# KiCad board XG_Mobile_Dock.kicad_pcb (continued)
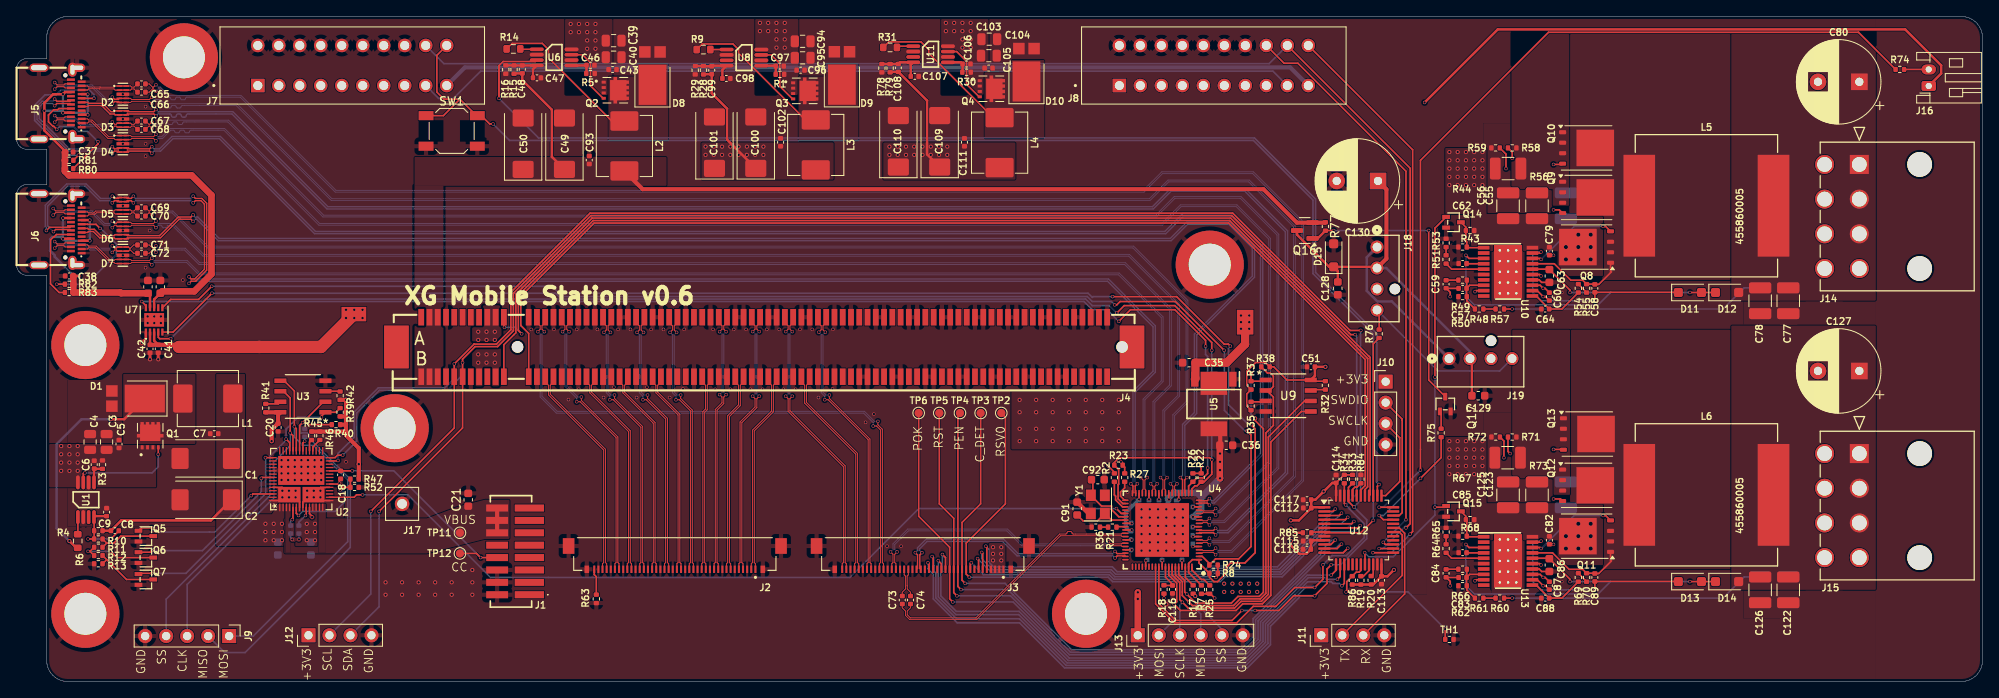
[diagram p0: board, top side]
## Routing (per net, layer and track width the routed paths; a pad name or vN(x,y) marks a point on that pad's centre or on a via; arc(x,y) is an arc through that point) (continued)
/USB Hub/USB_DFP0_FLT: length 175.2
  Top w0.2: U7.6 18.65,46.25 22.02,46.25 v1(23.62,47.84) ; R7.2 141.82,13.18 U4.75 141.82,14.29 142.27,14.74 U4.1 ; U4.1 143.07,14.36 R8.1 144.33,12.63 144.87,12.09 145.32,12.09 146.38,13.15 146.38,13.82 146.91,14.35 148.62,14.35 149.87,15.59 149.87,30.59 v1(149.37,31.09) ; U4.1 143.27,14.74 ; v1(132.62,46.59) 140.37,46.59 146.12,40.84 146.62,40.84 v1(146.87,40.59)
  Bottom w0.2: v1(23.62,47.84) 64.81,47.84 65.65,47 129.65,47 130.15,46.5 130.24,46.59 v1(132.62,46.59) ; v1(146.87,40.59) 146.65,40.38 146.65,33.5 149.06,31.09 v1(149.37,31.09)
/USB Hub/USB_DFP1_EN: length 3.3
  Top w0.2: U4.76 142.21,13.49 143.37,12.34 143.66,12.34 R25.1
/USB Hub/USB_DFP2_EN: length 152.4
  Top w0.2: v1(144.12,25.84) 144.12,25.18 143.58,24.64 142.8,24.64 R26.2 141.82,23.66 U4.21 ; v1(133.37,43.59) 134.77,45 140.15,45 143.87,41.28 v1(143.87,40.59) ; U7.4 17.15,41.67 17.32,41.5 v1(18.65,41.5)
  Bottom w0.2: v1(133.37,43.59) 131.96,45 130.15,45 129.15,46 23.15,46 v1(18.65,41.5) ; v1(143.87,40.59) 143.87,39.59 144.12,39.34 144.11,39.34 144.11,25.85 v1(144.12,25.84)
/USB Hub/USB_DFP2_FLT: length 171
  Top w0.2: U7.10 15.65,45.5 v1(15.15,46) ; U4.40 133.84,21.54 133.28,22.1 133.28,23.83 133.35,23.9 133.35,25.65 R23.2 132.82,26.51 133.41,27.1 144.36,27.1 v1(144.62,26.84) 144.62,26.84 144.62,25.35 144.62,25.34 144.62,25.09 143.7,24.17 R22.2 142.84,23.68 142.58,23.68 142.21,23.32 U4.20 ; v1(133.12,44.59) 134.02,45.5 140.15,45.5 144.62,41.03 v1(144.62,40.09)
  Bottom w0.2: v1(133.12,44.59) 132.21,45.5 130.15,45.5 129.35,46.3 22.84,46.3 22.54,46 v1(15.15,46) ; 144.62,26.84 v1(144.62,26.84) v1(144.62,40.09)
/USB Hub/USB_DFP3_EN: length 2.7
  Top w0.2: R27.2 134.08,23.43 133.58,22.93 133.58,22.43 134.07,21.94 U4.39
/USB Hub/USBOC0: length 3.8
  Top w0.2: U4.41 133.82,21.14 132.98,21.98 132.98,22.43 132.83,22.58 R2.1
/USB Hub/XI: length 6.8
  Top w0.2: C91.1 129.06,19.43 130.78,19.43 Y1.1 132.47,19.54 U4.45
/USB Hub/XO: length 7.5
  Top w0.2: C92.1 130.23,24.26 130.23,22.53 ; U4.44 133.36,19.94 132.48,20.82 132.48,21.23 131.28,21.23 Y1.3
/USB PD Charger/BOOT: length 11.4
  Top w0.2: v1(34.12,20.09) 33.85,20.36 U2.6 ; v1(39.17,23.19) 39.47,23.5 R52.1 R47.2
  Bottom w0.2: v1(34.12,20.09) 34.62,20.6 38.55,20.6 39.65,21.69 39.65,22.84 39.3,23.19 v1(39.17,23.19)
/USB PD Charger/DRAIN1: length 6.9
  Top w0.2: U2.8 34.65,21.73 35.55,22.62 U2.58 ; U2.58 36.65,21.9 U2.15 ; U2.58 36.8,23.5 U2.19
  vias: v1(35.17,23.09) v1(35.17,22.29) v1(35.97,23.09) v1(35.97,22.29) v1(36.77,23.09) v1(36.77,22.29)
/USB PD Charger/DRAIN2: length 6.9
  Top w0.2: U2.57 33.35,22.62 34.25,21.73 U2.7 ; U2.57 32.13,23.5 U2.52 ; U2.57 32.27,21.9 U2.56
  vias: v1(32.17,23.09) v1(32.17,22.29) v1(32.97,23.09) v1(32.97,22.29) v1(33.77,23.09) v1(33.77,22.29)
/USB PD Charger/LDO_3V3: length 58.2
  Top w0.2: v1(34.97,20.09) 35.05,20.18 U2.9
  Top w0.5: R45.2 R46.2 39.7,30.26 39.87,30.09 ; R39.1 39.86,32.08 39.87,32.09 ; 39.87,30.09 39.87,29.79 41.41,28.25 v2(41.41,26.31) R47.1 ; 39.87,30.09 39.87,31.09 ; v2(30.87,29.09) 30.87,30.49 31.6,31.23 C20.1 31.65,32.32 U3.8 31.92,32.58 R41.1 ; 39.87,31.09 39.16,31.09 R40.1 ; 39.87,31.09 39.87,32.09 ; 39.87,32.09 v2(39.87,34.09) 39.16,34.09 R42.1
  In2.Cu w0.5: v2(39.87,34.09) 35.87,34.09 v2(30.87,29.09) 30.87,22.09 31.87,21.09 34.18,21.09 34.97,20.3 v1(34.97,20.09) 35.48,20.6 37.57,20.6 41.41,24.44 v2(41.41,26.31)
  Bottom w0.2: C23.1 34.17,19.29 v1(34.97,20.09)
/USB PD Charger/PDO_1: length 24.7
  Top w0.2: U2.43 30.12,27.1 v1(30.12,27.09) ; v1(16.37,13.09) 14.84,13.09 Q7.1
  Bottom w0.2: v1(16.37,13.09) 20.49,13.09 30.15,22.75 30.15,27.06 v1(30.12,27.09)
/USB PD Charger/PDO_2: length 21.2
  Top w0.2: v1(29.62,24.59) 29.72,24.7 U2.49 ; 14.85,15.75 Q6.1 ; Q6.1 16.17,15.65 v1(16.37,15.84) ; Q6.1 14.81,15.59
  Bottom w0.2: v1(16.37,15.84) 22.49,15.84 29.62,22.97 v1(29.62,24.59)
/USB PD Charger/PDO_3: length 18.5
  Top w0.2: v1(16.37,18.59) 15.09,18.59 Q5.1 ; v1(28.4,22.5) 28.6,22.7 U2.54
  Bottom w0.2: v1(16.37,18.59) 16.87,18.09 23.99,18.09 v1(28.4,22.5)
/USB PD Charger/SPI_CLK: length 38.3
  Top w0.2: 32.38,35.14 U3.6 32.3,35.14 33.11,34.32 33.11,30.35 33.12,30.34 v1(33.12,30.09) 33.45,29.76 U2.38
  Bottom w0.2: v1(33.12,30.09) 33.12,30.09 33.12,28.56 31.15,26.59 31.15,22.25 20.65,11.75 J9.3
/USB PD Charger/SPI_MISO: length 52.5
  Top w0.2: U3.2 37.14,33.86 v1(34.62,31.34) ; v1(34.62,31.34) 35.12,31.34 35.36,31.09 R40.2 ; v1(34.62,31.34) 34.25,30.98 U2.36
  Bottom w0.2: v1(34.62,31.34) 34.36,31.08 34.36,30.1 34.37,30.09 35.18,30.09 35.38,29.9 35.38,29.51 40.38,24.5 40.38,16.23 27.65,3.5 25.19,3.5 J9.2
/USB PD Charger/SPI_MOSI: length 45.9
  Top w0.2: U3.5 32.38,36.41 33.62,35.17 v1(33.62,30.84) 33.85,30.61 U2.37
  Bottom w0.2: v1(33.62,30.84) 33.62,30.84 33.62,29.59 34.62,28.59 35.87,28.59 40.08,24.38 40.08,16.93 28.65,5.5 J9.1
/USB PD Charger/SPI_SS: length 40.3
  Top w0.2: v1(36.9,32) 36.9,32.12 U3.1 38.64,32.59 R39.2 ; v1(32.62,29.34) 33.05,28.91 U2.39
  Bottom w0.2: J9.4 18.11,9.95 30.65,22.5 30.65,27.25 32.62,29.22 v1(32.62,29.34) 32.61,29.35 32.61,30.55 34.06,32 v1(36.9,32)
/WAKE#: length 141.5
  Top w0.2: 163.65,22.5 163.77,22.62 163.77,39.23 163.6,39.41 163.59,39.41 146.9,56.1 69.64,56.1 60.42,46.88 60.42,42.21 58.97,40.76 J4.B11
PP_HV: length 17.5
  Top w0.2: 25.65,22 25.4,22.25
  Top w0.3: R4.1 C8.1 12.67,19.5 23.51,19.5 C2.1
  vias: v2(30.12,19.09) v2(30.12,18.09) v2(30.12,17.09) v2(31.12,19.09) v2(31.12,18.09) v2(31.12,17.09) v2(32.12,19.09) v2(32.12,18.09) v2(32.12,17.09) v2(35.12,19.09) v2(35.12,18.09) v2(35.12,17.09) v2(36.12,19.09) v2(36.12,18.09) v2(36.12,17.09)
Net-(C59-Pad1): length 1.5
  Top w0.2: C59.1 172.99,48.59 R49.1
Net-(C84-Pad1): length 1.5
  Top w0.2: C84.1 172.99,13.59 R66.1
Net-(D1-K): length 26.7
  Top w0.3: v2(6.4,17) 7.23,16.17 R6.2 ; D1.1 13.02,31.75 v2(11.4,31.75)
  Bottom w0.3: v2(11.4,31.75) 7.87,31.75 4.85,28.73 4.85,18.55 v2(6.4,17)
Net-(D8-K): length 19
  Top w0.2: R14.2 59.97,77.25 63.61,77.25 64.37,76.5 64.37,75.5 72.01,67.85 L2.1
Net-(D9-K): length 18.7
  Top w0.2: R9.2 82.97,77.17 86.69,77.17 87.37,76.5 87.37,76.07 95.46,67.98 L3.1
Net-(D10-K): length 18.4
  Top w0.2: R31.2 105.55,77.43 109.43,77.43 110.37,76.5 110.37,76.06 118.17,68.26 L4.1
Net-(D11-K): length 25.8
  Top w0.2: v1(184.47,51.99) 184.34,51.87 U10.19 ; v1(190.97,46.09) C58.1 201.05,47.11 D11.1
  Bottom w0.2: v1(184.47,51.99) 183.87,51.99 183.47,51.59 183.47,47.09 184.47,46.09 190.96,46.09 v1(190.97,46.09)
Net-(D13-K): length 25.8
  Top w0.2: D13.1 201.05,12.11 C89.1 v1(190.97,11.09) ; U13.19 184.34,16.87 v1(184.47,16.99)
  Bottom w0.2: v1(190.97,11.09) 190.96,11.09 184.47,11.09 183.47,12.09 183.47,16.59 183.87,16.99 v1(184.47,16.99)
Net-(D15-K): length 46.2
  Top w0.3: J18.2 164.47,50.19 D15.1 ; C128.1 159.87,49.69 D15.1 ; C129.1 176.09,38.87 J19.2 ; Q16.3 154.93,54.08 158.82,50.19 D15.1
  Top w0.5: C130.1 165.75,59.58 165.75,51.19 J18.2
  Bottom w0.3: J18.2 165.72,50.05 175.87,39.91 J19.2
Net-(J5-CC1): length 19.9
  Top w0.2: J5.A5 7.9,70.59 9.36,70.59 v1(9.37,70.59) ; R80.1 v1(7.5,63.71)
  Bottom w0.2: v1(7.5,63.71) 6.4,63.71 2.19,67.92 2.19,69.77 3.44,71.01 4.82,71.01 5.41,71.6 8.82,71.6 9.37,71.06 v1(9.37,70.59)
Net-(J5-CC2): length 15.6
  Top w0.2: J5.B5 5.13,69.36 4.98,69.2 4.49,69.2 3.87,68.58 3.87,67.74 4.41,67.2 4.5,67.2 v1(4.87,66.84) ; R81.2 9.87,65.09 v1(9.87,65.34)
  Bottom w0.2: v1(9.87,65.34) 8.62,66.59 7.45,66.59 6.85,67.19 5.21,67.19 v1(4.87,66.84)
Net-(J6-CC1): length 16.2
  Top w0.2: v1(4.87,48.09) R82.1 ; v1(10.12,54.84) 9.62,55.34 8.58,55.34 8.56,55.36 J6.A5
  Bottom w0.2: v1(4.87,48.09) 8.45,48.09 12.09,51.73 12.09,52.95 10.2,54.84 v1(10.12,54.84)
Net-(J6-CC2): length 10.2
  Top w0.2: R83.2 5.15,47.09 4.11,48.13 4.11,53.47 4.49,53.84 4.56,53.84 4.83,54.11 J6.B5
Net-(J7-Pin_17): length 107
  Bottom w0.2: J8.17 152.01,73.89 56.17,73.89 52.87,70.59 51.06,70.59 J7.17
Net-(J16-Pin_2): length 3
  Top w0.2: R74.2 J16.2
Net-(J18-Pin_4): length 22.5
  Top w0.2: R76.2 164.87,44.72 J18.4
  Bottom w0.2: J19.4 179.45,37.59 171.99,37.59 J18.4
Net-(Q5-D): length 7.4
  Top w0.2: 10.91,16.75 10.91,16.75 11.77,16.75 12.62,17.6 Q5.3 ; 10.91,16.75 R11.1 ; 10.91,16.75 R10.2
Net-(Q6-D): length 9.9
  Top w0.2: v1(11.4,15.75) 12.15,15 Q6.3 ; v1(8.65,15.75) 8.89,15.75 ; 8.89,15.75 R12.1 ; 8.89,15.75 R11.2
  Bottom w0.2: v1(11.4,15.75) v1(8.65,15.75)
Net-(Q7-D): length 8
  Top w0.2: 10.91,14.75 13.31,12.35 Q7.3 ; 10.91,14.75 R13.1 ; 10.91,14.75 R12.2
Net-(Q8-G): length 11.4
  Top w0.2: U10.18 184.34,51.22 v1(184.47,51.09) ; Q8.4 192.27,55.09 v1(191.97,55.09)
  Bottom w0.2: v1(191.97,55.09) 188.47,55.09 v1(184.47,51.09)
Net-(Q10-D): length 12.3
  Top w0.2: Q8.1 192.87,49.69 192.97,49.59 191.45,48.07 C58.2 190.94,48.1 R55.2 189.5,48.57 188.06,48.57 186.06,50.57 U10.17
Net-(Q10-G): length 17.7
  Top w0.2: Q9.4 186.66,57.09 v1(185.97,57.09) ; U10.15 184.29,49.27 v1(184.47,49.09) ; Q10.4 186.97,62.59 v1(185.97,62.59)
  In3.Cu w0.2: v1(184.47,49.09) 184.97,49.6 184.97,56.1 v1(185.97,57.09) v1(185.97,62.59)
Net-(Q11-G): length 11.4
  Top w0.2: Q11.4 192.27,20.09 v1(191.97,20.09) ; U13.18 184.34,16.22 v1(184.47,16.09)
  Bottom w0.2: v1(184.47,16.09) 188.47,20.09 v1(191.97,20.09)
Net-(Q12-D): length 12.3
  Top w0.2: U13.17 185.85,15.57 187.84,13.57 189.5,13.57 R70.2 190.94,13.1 C89.2 191.45,13.07 192.97,14.59 192.87,14.69 Q11.1
Net-(Q12-G): length 18.2
  Top w0.2: Q13.4 187.12,28.09 v1(185.97,28.09) ; Q12.4 186.81,22.09 v1(185.97,22.09) ; U13.15 184.29,14.27 v1(184.47,14.09)
  In3.Cu w0.2: v1(184.47,14.09) 185.46,15.09 185.46,21.59 v1(185.97,22.09) v1(185.97,28.09)
Net-(Q14-D): length 5.4
  Top w0.2: Q14.3 175.36,55 R43.2 175.36,53.32 175.48,53.2 R44.2 175.55,52.52 U10.1
Net-(Q15-D): length 5.4
  Top w0.2: U13.1 175.55,17.52 R67.2 175.48,19.47 R68.2 175.36,20 Q15.3
Net-(Q16-G): length 35.4
  Top w0.2: v1(170.87,54.59) 170.87,36.49 Q17.3 ; R77.2 158.39,54.59 v1(159.37,54.59)
  Top w0.3: Q16.1 157.44,53.64 R77.2
  Bottom w0.2: v1(159.37,54.59) v1(170.87,54.59)
Net-(Q17-G): length 2.2
  Top w0.2: Q17.1 172.37,32.54 R75.2
Net-(R21-Pad2): length 1
  Top w0.2: R21.2 R36.1
Net-(R48-Pad2): length 1.5
  Top w0.2: R48.2 R57.1
Net-(R51-Pad2): length 1
  Top w0.2: R51.2 R53.1
Net-(R54-Pad2): length 1.4
  Top w0.2: R54.2 189.97,47.1 R55.1
Net-(R60-Pad1): length 1.5
  Top w0.2: R61.2 R60.1
Net-(R64-Pad2): length 1
  Top w0.2: R64.2 R65.1
Net-(R69-Pad2): length 1.4
  Top w0.2: R69.2 189.97,12.1 R70.1
Net-(U1-ADJ): length 2.7
  Top w0.3: R3.2 9.43,25.74 C6.2 9.37,25.74 U1.5
Net-(U1-FB): length 9.1
  Top w0.2: v1(11.4,17.25) 12.38,18.23 C8.2 ; U1.4 9.39,19.89 R4.2 R10.1 v1(8.65,17.25)
  Top w0.3: U1.4 9.49,20.02 C9.1
  Bottom w0.2: v1(11.4,17.25) v1(8.65,17.25)
Net-(U1-ISENSE): length 2.1
  Top w0.2: R6.1 7.42,17.85 U1.1
Net-(U1-PGATE): length 13
  Top w0.2: v1(17.15,27.5) Q1.4 ; v1(8.27,25.25) 8.15,25.25 8.07,25.17 U1.7
  Bottom w0.2: v1(17.15,27.5) 17.15,26 16.4,25.25 8.15,25.25
Net-(U2-I2C2_SCL): length 1.7
  Top w0.2: U2.32 35.85,28.39 R46.1
Net-(U2-I2C2_SDA): length 1.4
  Top w0.2: U2.33 35.45,28.99 R45.1
Net-(U2-LDO_1V8): length 1.8
  Top w0.2: v1(34.87,29.09) 34.65,28.88 U2.35
  Bottom w0.2: v1(34.87,29.09) C22.1
Net-(U3-~{HOLD}): length 1.9
  Top w0.2: R41.2 31.67,33.61 U3.7
Net-(U3-~{WP}): length 1.8
  Top w0.2: R42.2 39.12,35.14 U3.3
Net-(U6-ADJ): length 2.8
  Top w0.3: R5.2 68.97,73.63 C46.2 68.94,74.58 U6.5
Net-(U6-FB): length 5.4
  Top w0.3: C47.1 62.49,74.12 U6.4 C48.2 60.21,74.58 R15.2 R16.2
Net-(U6-ISENSE): length 2
  Top w0.2: R14.1 61,76.53 U6.1
Net-(U6-PGATE): length 7.7
  Top w0.2: U6.7 68.48,75.88 69.45,74.92 69.45,72.13 70.97,70.6 Q2.4
Net-(U8-ADJ): length 2.8
  Top w0.3: U8.5 91.82,74.55 C97.2 91.87,73.51 R1.2
Net-(U8-FB): length 5.6
  Top w0.3: C98.1 85.41,74.04 U8.4 84.19,74.55 C99.2 83.15,74.48 R28.2 R29.2
Net-(U8-ISENSE): length 2
  Top w0.2: U8.1 R9.1
Net-(U8-PGATE): length 7.7
  Top w0.2: Q3.4 93.89,70.53 92.35,72.07 92.35,74.81 91.31,75.85 U8.7
Net-(U9-~{HOLD}): length 1.8
  Top w0.2: U9.7 156.69,35.33 R32.2
Net-(U9-~{WP}): length 1.8
  Top w0.2: U9.3 151.04,33.85 R35.2
Net-(U10-COMP): length 7.1
  Top w0.2: U10.9 176.59,47.32 v1(176.47,47.19) ; v1(173.47,46.59) 173.47,47.11 C59.2 172.99,47.59 C57.2
  In2.Cu w0.2: v1(176.47,47.19) 176.37,47.09 173.97,47.09 v1(173.47,46.59)
Net-(U10-CS): length 22.9
  Top w0.2: U10.12 183.99,47.32 v1(184.72,46.59) 184.99,46.59 C60.2 ; v1(180.97,63.34) 180.97,64.08 R58.2
  In2.Cu w0.2: v1(180.97,63.34) 185.46,58.85 185.46,47.34 v1(184.72,46.59)
Net-(U10-CSG): length 21.8
  Top w0.2: C60.1 184.95,47.59 v1(184.72,47.59) 184.34,47.97 U10.13 ; v1(180.22,62.09) 180.22,63.84 R59.2
  In2.Cu w0.2: v1(184.72,47.59) 184.97,47.85 184.97,57.34 v1(180.22,62.09)
Net-(U10-FB): length 6.2
  Top w0.2: U10.8 175.82,47.97 C57.1 ; C57.1 175.45,46.62 R50.1 175.48,46.07 R48.1 ; C57.1 175.48,47.62 R49.2
Net-(U10-RAMP): length 7
  Top w0.2: U10.11 183.87,46.67 C64.2 186.98,45.09 R54.1
Net-(U10-RT): length 4.8
  Top w0.2: U10.5 173.63,49.92 R51.1
Net-(U10-SS): length 2.1
  Top w0.2: C62.2 175.47,50.57 U10.4
Net-(U11-ADJ): length 2.9
  Top w0.3: U11.5 114.27,74.96 C106.2 114.47,73.79 R30.2
Net-(U11-FB): length 5.7
  Top w0.3: C107.1 108.2,74.66 U11.4 106.9,74.96 C108.2 R78.2 R79.1
Net-(U11-ISENSE): length 2
  Top w0.2: U11.1 106.67,76.91 R31.1
Net-(U11-PGATE): length 7.7
  Top w0.2: Q4.4 116.47,70.78 114.95,72.31 114.95,75.07 113.76,76.26 U11.7
Net-(U12-BOOT0): length 2
  Top w0.2: 161.65,22.5 161.65,23.24 161.93,23.52 162.18,23.52 R84.2
Net-(U12-PB1): length 19.4
  Top w0.2: v1(172.87,6.34) 172.87,5.1 TH1.1 ; U12.19 162.65,13.44 162.45,13.24 162.1,13.24 R86.1 160.95,12.09 160.95,10.93 v1(160.87,10.84)
  Bottom w0.2: v1(160.87,10.84) 168.37,10.84 v1(172.87,6.34)
Net-(U13-COMP): length 7.1
  Top w0.2: v1(176.47,12.19) 176.59,12.32 U13.9 ; v1(173.47,11.59) 173.47,12.11 C84.2 172.99,12.59 C83.2
  In2.Cu w0.2: v1(173.47,11.59) 173.97,12.09 176.37,12.09 v1(176.47,12.19)
Net-(U13-CS): length 22.8
  Top w0.2: C87.2 184.99,11.59 v1(184.72,11.59) 183.99,12.32 U13.12 ; v1(180.72,27.59) 180.46,27.85 R71.2
  In2.Cu w0.2: v1(180.72,27.59) 185.27,23.04 185.27,12.15 v1(184.72,11.59)
Net-(U13-CSG): length 21.8
  Top w0.2: v1(179.97,27.09) 179.97,29.1 R72.2 ; U13.13 184.34,12.97 v1(184.72,12.59) 184.95,12.59 C87.1
  In2.Cu w0.2: v1(184.72,12.59) 184.97,12.85 184.97,22.09 v1(179.97,27.09)
Net-(U13-FB): length 6.2
  Top w0.2: C83.1 175.45,11.62 R62.1 175.48,11.07 R61.1 ; C83.1 175.82,12.97 U13.8 ; C83.1 175.48,12.62 R66.2
Net-(U13-RAMP): length 7
  Top w0.2: R69.1 186.98,10.09 C88.2 183.87,11.67 U13.11
Net-(U13-RT): length 4.8
  Top w0.2: U13.5 173.63,14.92 R64.1
Net-(U13-SS): length 2.1
  Top w0.2: C85.2 175.47,15.57 U13.4

## Copper pours and planes (outline as drawn; the poured copper is in the pictures)
+3V3 on Top: 119.65,13 117.65,13 117.65,16.75 119.65,16.75
+3V3 on Top: 55.15,45.5 58.65,45.5 58.65,35.75 55.15,35.75
+3V3 on Top: 55.15,45.5 58.65,45.5 58.65,35.75 55.15,35.75
+3V3 on Top, In2.Cu, In3.Cu: 120.87,60.75 104.87,60.75 104.87,65.25 120.87,65.25
+3V3 on In2.Cu, In3.Cu: 134.08,22.84 134.08,13.59 143.33,13.59 143.33,22.84
+3V3 on In2.Cu, In3.Cu: 150.58,14.59 150.58,9.59 131.08,9.59 131.08,14.59
+3V3 on In2.Cu, In3.Cu: 126.9,63.5 126.9,55.5 55.15,55.5 55.15,63.5
+3V3 on In2.Cu, In3.Cu: 145.37,12.84 145.37,9.59 153.87,9.59 153.87,12.84
+3V3 on In2.Cu, In3.Cu: 55.15,63.5 58.65,63.5 58.65,35.5 55.15,35.5
+3V3 on In2.Cu, In3.Cu: 144.08,22.09 144.08,26.59 141.83,26.59 141.83,22.09
+3V3 on In2.Cu, In3.Cu: 170.65,43.75 153.65,43.75 153.65,3.5 170.65,3.5
+3V3 on In2.Cu, In3.Cu: 134.08,21.84 134.08,26.84 131.83,26.84 131.83,21.84
+5V on Top: 98.87,60.75 82.87,60.75 82.87,65.25 98.87,65.25
+12V on Top: 48.15,35.5 51.65,35.5 51.65,63.5 48.15,63.5
+12V on Top: 78.65,63.5 78.65,60 48.15,60 48.15,63.5
+20V on Top: 177.87,56.59 177.87,64.59 172.87,64.59 172.87,56.59
+20V on Top: 175.97,21.59 191.97,21.59 191.97,14.09 186.47,14.09 186.47,17.09 175.97,17.09
+20V on Top: 177.87,21.59 177.87,29.59 172.87,29.59 172.87,21.59
+20V on Top: 72.12,80.5 72.12,71 66.37,71 66.37,80.5
+20V on Top: 175.97,56.59 191.97,56.59 191.97,49.09 186.47,49.09 186.47,52.09 175.97,52.09
+20V on Top: 117.62,80.5 117.62,71 111.87,71 111.87,80.5
+20V on Top: 94.62,80.5 94.62,71 89.37,71 89.37,80.5
+20V on Top: 16.9,28.75 3.65,28.75 3.65,23.5 16.9,23.5
+20V on Bottom: 178.47,21.59 178.47,18.09 182.47,18.09 182.47,10.09 199.47,10.09 199.47,44.09 189.47,44.09 189.47,21.59
+20V on Bottom: 178.47,56.59 178.47,53.09 182.47,53.09 182.47,45.09 199.47,45.09 199.47,79.09 189.47,79.09 189.47,56.59
+20V on In2.Cu, In3.Cu: 184.97,20.09 184.97,13.09 198.47,13.09 198.47,42.59 188.47,42.59 188.47,20.09
+20V on In2.Cu, In3.Cu: 178.87,80.59 178.87,12.59 170.87,12.59 170.87,80.59
+20V on In2.Cu, In3.Cu: 178.37,80.5 178.37,70 48.87,70 48.87,80.5
+20V on In2.Cu, In3.Cu: 24.87,80.59 24.87,7.5 49.15,7.5 48.87,80.5
+20V on In2.Cu, In3.Cu: 3.65,34 3.65,7.5 49.65,7.5 49.65,34
+20V on In2.Cu, In3.Cu: -0.35,81 -0.35,-1 237.9,-1.5 237.9,80.75
+20V on In2.Cu, In3.Cu: 185.97,56.59 185.97,49.59 199.47,49.59 199.47,79.09 189.47,79.09 189.47,56.59
/USB Hub/+1V0 on Top: 146.62,35.09 146.62,28.09 120.37,28.09 120.37,35.09
/USB Hub/+1V0 on Bottom: 134.08,22.84 134.08,13.59 143.33,13.59 143.33,22.84
/USB Hub/+1V0 on Bottom: 120.37,28.09 120.37,35.09 134.37,35.09 134.37,28.09
/VBUS on Top: 37.43,21.53 36.52,21.53 36.52,15.58 37.43,15.58
/VBUS on Top: 32.52,21.53 33.18,21.53 33.18,15.58 32.52,15.58
/VBUS on Top: 32.4,15.5 49.65,15.5 56.65,17.25 59.65,17.25 59.65,22 56.65,22 53.65,21.25 49.65,19.75 32.4,19.75
GND on Top: 56.87,80.5 56.87,65.5 152.62,65.75 152.62,80.5
GND on Top: 24.15,18.75 24.15,36.5 6.15,36.5 6.15,18.75
GND on Top: 154.65,25.5 170.65,25.5 170.65,10.5 154.65,10.5
GND on Top, Bottom: 177.47,32.59 177.47,21.59 189.97,21.59 189.97,32.59
GND on Top, Bottom: 220.97,25.59 216.47,25.59 216.47,8.59 220.97,8.59
GND on Top, Bottom: 208.97,11.09 215.47,11.09 215.47,7.59 208.97,7.59
GND on Top, Bottom: 177.47,67.59 177.47,56.59 189.97,56.59 189.97,67.59
GND on Top, Bottom: 208.97,46.09 215.47,46.09 215.47,42.59 208.97,42.59
GND on Top, Bottom: 220.97,60.59 216.47,60.59 216.47,43.59 220.97,43.59
GND on Top, Bottom, In1.Cu, In2.Cu: 178.47,53.09 182.47,53.09 182.47,45.59 178.47,45.59
GND on Top, Bottom, In1.Cu, In4.Cu: 224.87,80.59 224.87,-1.41 213.37,-1.41 213.37,80.59
GND on Top, Bottom, In1.Cu, In4.Cu: -0.35,81 -0.35,-1 237.9,-1.5 237.9,80.75
GND on Top, Bottom, In1.Cu, In4.Cu: 178.47,18.09 182.47,18.09 182.47,10.59 178.47,10.59
GND on Bottom: 13.87,72.59 13.87,47.59 129.87,47.59 135.87,42.59 135.87,37.59 133.87,35.59 133.87,23.59 143.87,23.59 143.87,14.59 147.87,14.59 156.87,23.59 156.87,55.59 149.87,62.59 137.87,62.59 135.87,60.59 38.87,60.59 27.87,71.59 18.87,71.59 16.87,72.59
GND on In1.Cu: 59.9,46 59.9,8.5 106.65,8.5 106.65,46
GND on In1.Cu: 59.9,46 59.9,8.5 106.65,8.5 106.65,46
/Power 12V (1)/VOUT_12V on Top, Bottom, In2.Cu, In3.Cu: 207.47,79.09 207.47,46.09 224.97,46.09 224.97,79.09
/Power 12V (2)/VOUT_12V on Top, Bottom, In2.Cu, In3.Cu: 207.47,43.09 207.47,11.09 224.97,11.09 224.97,43.09
/USB PD Charger/DRAIN1 on Top, Bottom: 39.65,23.5 34.65,23.5 34.65,19.5 39.65,19.5
/USB PD Charger/DRAIN2 on Top, Bottom: 34.4,23.5 29.4,23.5 29.4,19.5 34.4,19.5
PP_HV on Top: 24.15,37.25 24.15,18.75 27.65,18.75 27.65,37.25
PP_HV on Top: 36.88,21.53 33.72,21.53 33.72,16.38 36.88,16.38
PP_HV on Top: 32.4,21.5 31.65,21.5 30.9,20.25 24.15,20.25 24.15,16.4 32.4,16.4
PP_HV on Bottom: 29.62,19.84 36.62,19.84 36.62,16.39 29.62,16.39
PP_HV on In2.Cu, In3.Cu: 36.9,18.25 30.9,18.25 30.9,21.5 36.9,21.5
Net-(D1-K) on Top: 21.65,28.75 12.9,28.75 12.9,37.25 21.65,37.25
Net-(D8-K) on Top: 78.87,65.5 78.87,74.75 74.87,74.75 74.87,73.25 71.62,73.25 71.62,65.5
Net-(D9-K) on Top: 101.87,65.5 101.87,74.75 97.87,74.75 97.87,73.25 94.62,73.25 94.62,65.5
Net-(D10-K) on Top: 124.37,65.75 124.37,75.25 120.37,75.25 120.37,73.75 117.12,73.75 117.12,65.75
Net-(Q10-D) on Top: 209.87,78.59 209.87,48.59 191.87,48.59 191.87,55.59 187.87,55.59 187.87,78.59
Net-(Q10-S-Pad1) on Top: 187.87,78.59 180.87,78.59 180.87,59.59 185.87,59.59 185.87,57.59 187.87,57.59
Net-(Q12-D) on Top: 209.97,42.59 209.97,13.59 191.97,13.59 191.97,20.59 187.97,20.59 187.97,42.59
Net-(Q12-S-Pad1) on Top: 187.97,42.59 180.97,42.59 180.97,24.59 185.97,24.59 185.97,22.59 187.97,22.59

## Text on the board
F.Silkscreen: CC | VBUS | +3V3 | SWDIO | SWCLK | GND | SS | CLK | MISO | MOSI | SCL | SDA | POK | RST | PEN | C_DET | RSV0 | SCLK | TX | RX | XG Mobile Station v0.6
